# KiCad board trifecta.kicad_pcb (continued)
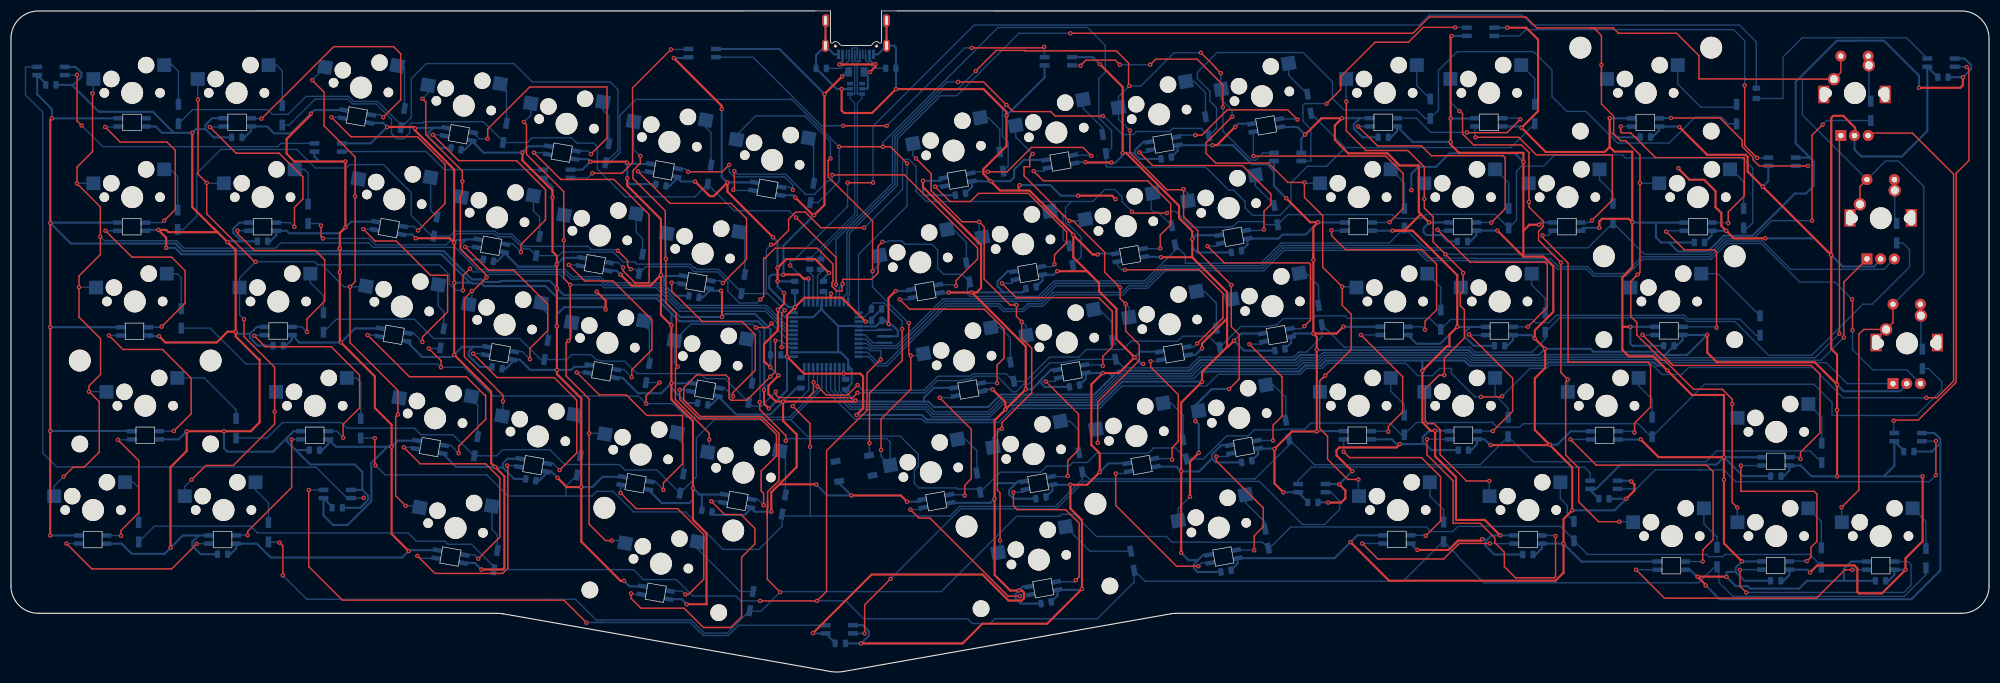
[diagram p0: board, top side]
## Routing (per net, layer and track width the routed paths; a pad name or vN(x,y) marks a point on that pad's centre or on a via; arc(x,y) is an arc through that point) (continued)
row9: length 410
  Top w0.25: v1(158.72,57.09) 156.21,54.58 156.21,47.79 148.84,40.41 148.84,14.73 v1(147.1,12.99) v1(136.72,12.99)
  Bottom w0.25: v1(158.72,57.09) 158.76,57.13 158.76,58.72 156.84,58.72 156.35,59.22 U1.20 ; D_72.1 349.47,17.78 345.52,13.82 314.26,13.82 311.68,16.4 311.68,18.89 D_70.1 310.95,19.22 308.02,16.3 268.8,16.3 263.98,21.12 263.98,21.31 D_68.1 261.32,23.84 254.07,16.59 206.97,16.59 D_66.1 204.98,16.43 198.28,9.73 179.59,9.73 178.71,8.85 175.48,8.85 174.59,9.73 155.62,9.73 152.36,12.99 v1(147.1,12.99) ; D_62.1 26.17,26.64 43.74,26.64 44.97,25.4 72.49,25.4 74,23.9 79.18,23.9 79.74,23.34 84.05,23.34 88.15,19.24 D_64.1 113.65,18.71 115.46,16.9 121.42,16.9 124.42,13.9 132.27,13.9 133.17,12.99 v1(136.72,12.99)
Net-(C1-Pad1): length 2.4
  Bottom w0.25: C1.1 148.79,68.98 148.79,67.32
Net-(D_1-Pad2): length 10.6
  Bottom w0.25: 30.39,103.34 30.43,103.37 ; D_1.2 30.56,109.72 29.41,110.87 K_1.2 29.38,110.87
Net-(D_2-Pad2): length 9.3
  Bottom w0.25: K_2.2 48.46,110.87 49.51,109.83 D_2.2 ; 49.51,103.34 49.51,103.34
Net-(D_3-Pad2): length 8.9
  Bottom w0.25: K_3.2 71.47,110.75 71.82,110.41 D_3.2
Net-(D_4-Pad2): length 7.7
  Bottom w0.25: D_4.2 90.43,106.29 K_4.2
Net-(D_5-Pad2): length 8.1
  Bottom w0.25: D_5.2 109.14,101.54 108.03,102.64 K_5.2
Net-(D_6-Pad2): length 8.6
  Bottom w0.25: K_6.2 126.8,99.5 127.76,98.54 D_6.2
Net-(D_7-Pad2): length 8.6
  Bottom w0.25: D_7.2 146.49,95.86 145.56,96.8 K_7.2
Net-(D_8-Pad2): length 8.6
  Bottom w0.25: K_8.2 178.37,101.27 180.46,99.18 D_8.2
Net-(D_9-Pad2): length 7.8
  Bottom w0.25: K_9.2 195.65,103 199.22,99.43 D_9.2
Net-(D_10-Pad2): length 8.8
  Bottom w0.25: K_10.2 215.94,107.89 217.99,105.84 D_10.2
Net-(D_11-Pad2): length 7.1
  Bottom w0.25: K_11.2 233.17,109 D_11.2
Net-(D_12-Pad2): length 7.2
  Bottom w0.25: D_12.2 256.57,107.12 K_12.2
Net-(D_13-Pad2): length 8.2
  Bottom w0.25: D_13.2 278.08,108.41 K_13.2
Net-(D_15-Pad2): length 16.2
  Bottom w0.25: D_15.2 314.4,103.18 308.42,103.18 304.19,107.41 K_15.2 ; 314.91,103.59 314.92,103.58
Net-(D_17-Pad2): length 9.1
  Bottom w0.25: D_17.2 30.42,90.5 29.09,91.82 K_17.2 ; 30.4,84.29 30.42,84.27
Net-(D_18-Pad2): length 8.4
  Bottom w0.25: D_18.2 54.24,91.17 53.58,91.82 K_18.2
Net-(D_19-Pad2): length 7.7
  Bottom w0.25: D_19.2 76.59,84.32 K_19.2
Net-(D_20-Pad2): length 7.9
  Bottom w0.25: K_20.2 95.35,84.25 96.47,83.12 D_20.2
Net-(D_21-Pad2): length 7.9
  Bottom w0.25: D_21.2 115.26,79.19 114.11,80.34 K_21.2
Net-(D_22-Pad2): length 8.3
  Bottom w0.25: D_22.2 133.92,79.53 133.03,80.41 K_22.2
Net-(D_23-Pad2): length 8.3
  Bottom w0.25: D_23.2 174.36,78.48 171.98,80.86 K_23.2
Net-(D_24-Pad2): length 8.8
  Bottom w0.25: 193.14,77.82 D_24.2 192,78.98 192,83.44 191.27,84.17 K_24.2
Net-(D_25-Pad2): length 8.1
  Bottom w0.25: D_25.2 209.33,84.04 208.56,84.04 208.08,84.52 208.08,87.21 K_25.2
Net-(D_26-Pad2): length 7
  Bottom w0.25: K_26.2 227.1,88.82 230.54,85.38 D_26.2 ; 226.74,91.21 226.74,91.26
Net-(D_27-Pad2): length 8.2
  Bottom w0.25: K_27.2 254.3,89.33 D_27.2
Net-(D_28-Pad2): length 8.2
  Bottom w0.25: D_28.2 273.33,89.35 K_28.2
Net-(D_29-Pad2): length 7.2
  Bottom w0.25: D_29.2 292.36,87.49 289.9,89.94 K_29.2
Net-(D_30-Pad2): length 8.1
  Bottom w0.25: D_30.2 316.21,89.62 314,91.82
Net-(D_33-Pad2): length 9.1
  Bottom w0.25: K_33.2 30.29,72.77 31.07,71.99 D_33.2 30.71,66.01
Net-(D_34-Pad2): length 8.2
  Bottom w0.25: D_34.2 57.03,68.74 54.64,71.13 K_34.2 ; 57.07,65.24 57.09,65.22
Net-(D_35-Pad2): length 8.5
  Bottom w0.25: D_35.2 78.99,65.85 77.97,66.87 K_35.2
Net-(D_36-Pad2): length 7.4
  Bottom w0.25: K_36.2 96.73,66.63 97.98,65.38 D_36.2
Net-(D_37-Pad2): length 8.2
  Bottom w0.25: K_37.2 115.49,63.49 116.52,62.46 D_37.2
Net-(D_38-Pad2): length 8.8
  Bottom w0.25: K_38.2 134.79,60.83 135.25,60.37 D_38.2
Net-(D_39-Pad2): length 8.8
  Bottom w0.25: K_39.2 180.52,62.92 182.39,61.06 D_39.2
Net-(D_40-Pad2): length 7.6
  Bottom w0.25: D_40.2 200.98,63.86 198.62,66.22 K_40.2
Net-(D_41-Pad2): length 9.1
  Bottom w0.25: K_41.2 217.82,69.54 219.99,67.37 D_41.2
Net-(D_42-Pad2): length 8.1
  Bottom w0.25: D_42.2 238.63,70.57 236.35,72.85 K_42.2
Net-(D_43-Pad2): length 7.7
  Bottom w0.25: K_43.2 260.94,70.31 D_43.2 ; 260.93,65.49 260.94,65.49
Net-(D_44-Pad2): length 8.2
  Bottom w0.25: D_44.2 280,68.25 277.52,70.73 K_44.2
Net-(D_45-Pad2): length 13.9
  Bottom w0.25: K_45.2 311.49,72.77 D_45.2
Net-(D_47-Pad2): length 14.7
  Bottom w0.25: K_47.2 35.27,53.72 41.09,47.91 D_47.2
Net-(D_48-Pad2): length 9.5
  Bottom w0.25: 63.8,46.19 63.82,46.17 ; K_48.2 63.06,53.72 63.82,52.96 D_48.2
Net-(D_49-Pad2): length 7.8
  Bottom w0.25: K_49.2 84.04,49.85 85.19,48.71 D_49.2
Net-(D_50-Pad2): length 8
  Bottom w0.25: D_50.2 103.94,45.32 102.8,46.46 K_50.2
Net-(D_51-Pad2): length 8
  Bottom w0.25: K_51.2 121.56,42.74 122.72,41.58 D_51.2
Net-(D_52-Pad2): length 8.6
  Bottom w0.25: K_52.2 140.62,40.41 141.35,39.69 D_52.2
Net-(D_53-Pad2): length 8.5
  Bottom w0.25: K_53.2 174.19,42.51 176.27,40.43 D_53.2
Net-(D_54-Pad2): length 8.2
  Bottom w0.25: D_54.2 194.89,44.18 193.25,45.82 K_54.2
Net-(D_55-Pad2): length 9.1
  Bottom w0.25: K_55.2 211.71,49.13 213.9,46.93 D_55.2
Net-(D_56-Pad2): length 8.7
  Bottom w0.25: K_56.2 230.39,52.43 232.64,50.19 D_56.2
Net-(D_57-Pad2): length 7.8
  Bottom w0.25: D_57.2 254.28,48.84 251.8,51.31 K_57.2 ; 254.3,46.44 254.31,46.44
Net-(D_58-Pad2): length 9.4
  Bottom w0.25: 273.21,46.44 273.23,46.42 ; 273.32,46.63 D_58.2 273.23,48.21 270.85,50.59 K_58.2 270.85,52.68
Net-(D_59-Pad2): length 8.2
  Bottom w0.25: 299.5,46.44 299.51,46.43 ; K_59.2 297.05,52.3 299.51,49.84 D_59.2
Net-(D_60-Pad2): length 8.2
  Bottom w0.25: K_60.2 330.47,46.5 D_60.2
Net-(D_62-Pad2): length 9.3
  Bottom w0.25: K_62.2 22.32,34.67 23.31,33.69 D_62.2
Net-(D_63-Pad2): length 8.4
  Bottom w0.25: 46.98,27.2 46.99,27.18 ; K_63.2 44.64,33.26 46.99,30.9 D_63.2
Net-(D_64-Pad2): length 8.5
  Bottom w0.25: D_64.2 88.77,25.06 87.77,26.06 K_64.2
Net-(D_65-Pad2): length 14.7
  Bottom w0.25: D_65.2 133.06,14.71 125.26,22.52 K_65.2
Net-(D_66-Pad2): length 13.8
  Bottom w0.25: D_66.2 196.93,22.07 K_66.2
Net-(D_67-Pad2): length 7.8
  Bottom w0.25: D_67.2 228.87,27.36 225.3,30.93 K_67.2
Net-(D_68-Pad2): length 8.3
  Bottom w0.25: K_68.2 258.95,32.16 261.45,29.66 D_68.2
Net-(D_69-Pad2): length 8.2
  Bottom w0.25: D_69.2 284.02,28.75 284.02,30.42 282.76,31.68 K_69.2
Net-(D_70-Pad2): length 8.1
  Bottom w0.25: D_70.2 311.35,24.69 308.95,27.08 K_70.2
Net-(D_71-Pad2): length 8.5
  Bottom w0.25: 330.32,22.63 330.38,22.56 ; D_71.2 330.38,27.53 K_71.2 ; 330.32,22.63 330.45,22.76
Net-(D_72-Pad2): length 8.3
  Bottom w0.25: D_72.2 349.47,27.49 K_72.2
Net-(J1-PadA5): length 5.9
  Bottom w0.25: J1.A5 152.97,111.75 151.49,110.27 R2.2
Net-(J1-PadB5): length 5.3
  Bottom w0.25: J1.B5 155.97,111.82 157.52,110.27 R3.2
Net-(LED1-Pad4): length 34.3
  Top w0.25: v1(27.96,82.44) 29.99,84.48 29.99,95.3 28.46,96.82 19.93,96.82 v1(17.19,99.56)
  Bottom w0.25: v1(27.96,82.44) 27.61,82.1 LED17.2 ; v1(17.19,99.56) 19.51,99.56 LED1.4
Net-(LED2-Pad4): length 48.7
  Top w0.25: v1(45.69,101.09) 45.74,101.09 58.89,114.24 69.82,114.24 71.14,112.92 71.14,104.54 v1(67.94,101.34)
  Bottom w0.25: v1(45.69,101.09) 43.86,101.09 LED2.4 ; LED3.2 67.49,101.79 v1(67.94,101.34)
Net-(LED4-Pad4): length 46.3
  Top w0.25: v1(105.86,94.62) 108.78,97.54 108.78,106.88 94.68,106.88 87,99.19 v1(87,97.42)
  Bottom w0.25: LED4.4 85.45,97.42 v1(87,97.42) ; LED5.2 105.3,95.18 v1(105.86,94.62)
Net-(LED6-Pad4): length 27.1
  Top w0.25: v1(131.07,92.65) 129.8,91.38 v1(123.57,91.38)
  Bottom w0.25: v1(123.57,91.38) 123.02,91.94 LED6.4 ; LED7.2 142.19,88.58 v1(142.69,88.08) 142.69,88.97 141.21,90.45 132.01,90.45 131.07,91.39 v1(131.07,92.65)
Net-(LED8-Pad4): length 28
  Top w0.25: v1(178.25,91.38) 181.8,91.38 186.25,95.83 195.65,95.83 v1(197.17,94.31)
  Bottom w0.25: v1(178.25,91.38) 175.38,91.38 LED8.4 ; LED9.2 197.05,94.43 v1(197.17,94.31)
Net-(LED10-Pad2): length 39.7
  Top w0.25: v1(228.67,80.84) 228.67,84.15 229.94,85.42 229.94,87.32 224.73,92.53 208.35,92.53 v1(205.93,94.94)
  Bottom w0.25: v1(205.93,94.94) 207.56,94.94 LED10.2 ; v1(228.67,80.84) 228.49,80.67 LED26.4
Net-(LED10-Pad4): length 28.4
  Top w0.25: v1(216.14,98.08) 217.36,98.08 221.97,102.7 233.01,102.7 v1(234.79,100.92)
  Bottom w0.25: LED10.4 213.02,98.08 v1(216.14,98.08) ; v1(234.79,100.92) 234.69,101.03 LED11.2
Net-(LED11-Pad4): length 46.5
  Top w0.25: 226.47,94.24 v1(226.79,94.24) 250.91,94.24 254.06,91.08 254.06,84.66 v1(251.59,82.18)
  Bottom w0.25: LED11.4 226.74,94.29 v1(226.79,94.24) ; LED27.2 251.53,82.12 v1(251.59,82.18)
Net-(LED12-Pad2): length 47
  Top w0.25: v1(245.86,99.67) 249.41,96.12 257.42,96.12 259.22,94.32 272.32,94.32 272.69,93.95 272.69,84.62 v1(270.13,82.07)
  Bottom w0.25: LED28.4 270.07,82.12 v1(270.13,82.07) ; v1(245.86,99.67) 245.86,99.67 LED12.2
Net-(LED12-Pad4): length 27.9
  Top w0.25: v1(265.71,98.59) 265.75,98.54 273.03,98.54 v1(275.43,100.94)
  Bottom w0.25: v1(275.43,100.94) 275.2,101.17 LED13.2 ; v1(265.71,98.59) 259.1,98.59 256.51,101.17 LED12.4
Net-(LED13-Pad4): length 44
  Top w0.25: v1(288.53,82.51) 292.24,86.22 292.24,94.49 278.38,94.49 275.17,97.69 v1(267.29,97.69)
  Bottom w0.25: LED29.2 288.13,82.11 v1(288.53,82.51) ; LED13.4 267.21,97.76 v1(267.29,97.69)
Net-(LED15-Pad2): length 43.8
  Top w0.25: v1(293.77,99.65) 293.77,98.69 293.97,98.48 295.61,98.48 297.88,96.21 ; 297.94,96.15 297.88,96.21 ; 297.88,96.21 300.12,93.98 316.34,93.98 316.34,86.99 313.41,84.05 v1(313.41,81.99)
  Bottom w0.25: LED30.4 313.3,82.1 v1(313.41,81.99) ; LED15.2 295.77,99.65 v1(293.77,99.65)
Net-(LED15-Pad4): length 36.5
  Top w0.25: v1(302.96,101.22) 311.88,101.22 315.95,97.15 315.95,96 317.93,94.01 317.93,93.58 319.05,92.45 v1(327.95,92.45)
  Bottom w0.25: v1(327.95,92.45) 325.74,92.45 ULED14.2 ; 300.45,101.22 v1(302.96,101.22) 302.89,101.15 LED15.4
Net-(LED17-Pad4): length 34.4
  Top w0.25: v1(27.5,63.1) 31.79,67.39 31.79,73.31 29.31,75.79 22.08,75.79 v1(17.24,80.62)
  Bottom w0.25: LED33.2 27.39,62.99 v1(27.5,63.1) ; LED17.4 19.52,80.62 v1(17.24,80.62)
Net-(LED18-Pad2): length 38.1
  Top w0.25: v1(41.37,80.61) 41.37,80.06 44.42,77.01 55.54,77.01 57.27,75.28 57.27,67.76 54.02,64.51 v1(54.02,62.12)
  Bottom w0.25: LED34.4 53.09,63.05 v1(54.02,62.12) ; LED18.2 43.4,80.61 v1(41.37,80.61)
Net-(LED18-Pad4): length 36.7
  Top w0.25: v1(51.73,81.33) 51.73,84.86 53.27,86.4 53.27,90.45 48.95,94.77 41.08,94.77 v1(36.29,99.56)
  Bottom w0.25: LED2.2 38.68,99.56 v1(36.29,99.56) ; LED18.4 50.96,82.1 v1(51.73,81.33)
Net-(LED19-Pad2): length 43.5
  Top w0.25: v1(58.49,101.34) 62.04,97.79 74.17,97.79 79.21,92.74 79.21,85.59 v1(74.29,80.67)
  Bottom w0.25: LED3.4 60.37,101.34 v1(58.49,101.34) ; v1(74.29,80.67) 73.55,81.4 LED19.2
Net-(LED19-Pad4): length 38.4
  Top w0.25: v1(64.28,80.92) 66.46,78.74 70.32,78.74 76.57,72.49 79.67,72.49 79.67,65.78 75.1,61.21 v1(75.1,60.29)
  Bottom w0.25: LED19.4 66.25,80.92 v1(64.28,80.92) ; LED35.2 73.49,61.91 v1(75.1,60.29)
Net-(LED20-Pad2): length 36.5
  Top w0.25: v1(82.87,77.67) 87.14,73.4 91.76,73.4 97.96,67.2 97.96,62.38 94.71,59.13 v1(94.71,57.15)
  Bottom w0.25: v1(82.87,77.67) 84.93,77.67 LED20.2 ; LED36.4 93.31,58.54 v1(94.71,57.15)
Net-(LED20-Pad4): length 43.7
  Top w0.25: v1(76.98,98.14) 81.7,93.42 92.27,93.42 97.55,88.13 97.55,82.6 93.08,78.13 v1(93.08,76.7)
  Bottom w0.25: v1(76.98,98.14) 78.93,98.14 LED4.2 ; v1(93.08,76.7) 91.62,78.16 LED20.4
Net-(LED21-Pad2): length 50
  Top w0.25: v1(111.7,73.92) 111.7,73.3 113.91,71.09 116.36,71.09 116.46,71.19 116.46,83.57 110.05,89.99 100.33,89.99 v1(95.44,94.88)
  Bottom w0.25: v1(111.7,73.92) 110.82,74.8 LED21.2 ; LED5.4 97.63,94.88 v1(95.44,94.88)
Net-(LED21-Pad4): length 37
  Top w0.25: v1(113.29,53.86) 113.29,55.19 116.97,58.87 116.97,64.33 109.86,71.45 104.72,71.45 v1(101.79,74.37)
  Bottom w0.25: v1(113.29,53.86) 111.9,55.24 LED37.2 ; LED21.4 103.79,74.37 v1(101.79,74.37)
Net-(LED22-Pad2): length 38.1
  Top w0.25: v1(131.77,50.36) 131.77,51.06 135.83,55.13 135.83,61.6 133.42,64.02 126.18,64.02 120.59,69.6 v1(120.59,71.13)
  Bottom w0.25: v1(131.77,50.36) 130.26,51.87 LED38.4 ; LED22.2 122.27,71.13 v1(120.59,71.13)
Net-(LED22-Pad4): length 41.5
  Top w0.25: v1(114.43,91.45) 120.27,85.61 131.45,85.61 134.24,82.81 134.24,75.38 v1(129.92,71.06)
  Bottom w0.25: LED22.4 129.49,71.5 v1(129.92,71.06) ; LED6.2 114.54,91.33 v1(114.43,91.45)
Net-(LED23-Pad2): length 73
  Top w0.25: v1(131.83,88.08) 132.02,88.27 v1(132.02,91.51) ; v1(172.47,70.56) 172.47,71.51 176.41,75.45 176.41,77.48 163.07,90.81 v1(149.86,90.81)
  Bottom w0.25: LED7.4 131.94,87.97 v1(131.83,88.08) ; v1(132.02,91.51) 132.59,90.94 141.36,90.94 144.85,87.45 144.85,87.26 146.63,87.26 149.1,89.73 149.86,89.73 v1(149.86,90.81) ; LED23.2 172.28,70.75 v1(172.47,70.56)
Net-(LED23-Pad4): length 37.1
  Top w0.25: v1(162.18,68.08) 163.96,66.3 177.61,66.3 181.23,62.68 181.23,57.35 179.96,56.08 v1(179.96,52.78)
  Bottom w0.25: LED23.4 164.23,68.08 v1(162.18,68.08) ; v1(179.96,52.78) 179.95,52.79 LED39.2
Net-(LED24-Pad2): length 39.1
  Top w0.25: v1(199.27,55.95) 199.27,57.67 200.98,59.38 200.98,65.92 198.5,68.4 183.46,68.4 v1(180.85,71)
  Bottom w0.25: LED40.4 199.12,56.1 v1(199.27,55.95) ; v1(180.85,71) 182.62,71 LED24.2
Net-(LED24-Pad4): length 40.6
  Top w0.25: v1(168.66,88.65) 171.36,85.96 175.1,85.96 176.59,87.44 185.65,87.44 192.66,80.43 192.66,78.43 190.44,76.21 v1(190.44,74.49)
  Bottom w0.25: LED24.4 190,74.05 v1(190.44,74.49) ; 170.01,88.34 LED8.2 168.78,88.78 v1(168.66,88.65)
Net-(LED25-Pad2): length 42.4
  Top w0.25: v1(186.63,91.51) 188.41,89.73 207.46,89.73 211.65,85.54 211.65,81.73 209.74,79.83 v1(209.74,77.41)
  Bottom w0.25: LED25.2 209.65,77.32 v1(209.74,77.41) ; LED9.4 188.62,91.51 v1(186.63,91.51)
Net-(LED25-Pad4): length 35.3
  Top w0.25: v1(203.27,73.48) 216.86,73.48 221.17,69.16 221.17,64.71 v1(216.48,60.02)
  Bottom w0.25: v1(216.48,60.02) 215.84,59.38 LED41.2 ; v1(203.27,73.48) 202.7,73.48 201.91,74.27 LED25.4
Net-(LED26-Pad2): length 37.4
  Top w0.25: v1(218.38,77.8) 221.43,74.75 236.92,74.75 237.16,74.51 237.16,64.32 v1(236.03,63.19)
  Bottom w0.25: v1(236.03,63.19) 235.56,62.71 LED42.4 ; LED26.2 220.23,77.8 v1(218.38,77.8)
Net-(LED27-Pad4): length 41.2
  Top w0.25: 245.82,77.16 257.5,77.16 260.17,74.49 260.17,66.16 258.06,64.05 v1(258.06,62.52) ; 245.82,77.16 243.56,77.16 241,79.72 v1(241,80.69) ; 245.82,77.16 245.51,77.16
  Bottom w0.25: v1(258.06,62.52) 257.5,63.08 LED43.2 ; v1(241,80.69) 241.07,80.62 LED27.4
Net-(LED28-Pad2): length 40.4
  Top w0.25: v1(276.84,63.09) 280.38,66.62 280.38,74.48 280,74.86 266.27,74.86 v1(260.34,80.8)
  Bottom w0.25: v1(260.34,80.8) 260.51,80.62 LED28.2 ; LED44.4 276.81,63.05 v1(276.84,63.09)
Net-(LED29-Pad4): length 59.3
  Top w0.25: v1(296.29,43.76) 296.29,45.47 299.22,48.39 299.22,56.14 298.77,56.59 284.17,56.59 284.17,74.72 281.16,77.72 281.16,77.76 279.51,79.41 v1(279.51,79.76)
  Bottom w0.25: LED59.2 296.07,43.98 v1(296.29,43.76) ; 281.45,80.62 LED29.4 280.61,79.76 v1(279.51,79.76)
Net-(LED30-Pad2): length 34.2
  Top w0.25: v1(302.07,80.44) 305.39,77.12 310.89,77.12 311.26,76.75 v1(311.26,62.9)
  Bottom w0.25: LED30.2 302.22,80.6 v1(302.07,80.44) ; v1(311.26,62.9) 311.08,63.07 LED45.4
Net-(LED33-Pad4): length 34.1
  Top w0.25: v1(17.9,61.46) 20.44,58.92 27.65,58.92 32.88,53.69 32.88,47.19 v1(29.73,44.04)
  Bottom w0.25: LED33.4 20.02,61.46 v1(17.9,61.46) ; v1(29.73,44.04) 29.7,44 LED47.2
Net-(LED34-Pad2): length 39.9
  Top w0.25: v1(44.42,61.41) 46.4,59.43 58.44,59.43 63.62,54.25 63.62,48.26 60.62,45.26 v1(60.62,42.82)
  Bottom w0.25: v1(60.62,42.82) 59.44,44 LED48.4 ; v1(44.42,61.41) 44.55,61.55 LED34.2
Net-(LED35-Pad4): length 44.3
  Top w0.25: 67.92,58.73 v1(65.09,61.56) ; 67.92,58.73 72.71,53.94 83.08,53.94 86.48,50.54 86.63,50.54 86.63,46.17 81.7,41.24 v1(81.7,39.97) ; 67.92,58.73 67.99,58.67
  Bottom w0.25: LED35.4 67,61.56 v1(65.09,61.56) ; LED49.2 80.28,41.4 v1(81.7,39.97)
Net-(LED36-Pad2): length 41.6
  Top w0.25: v1(84.33,58.17) 88.71,53.79 99.13,53.79 103.25,49.66 103.25,40.01 v1(100.14,36.9)
  Bottom w0.25: LED50.4 98.95,38.09 v1(100.14,36.9) ; v1(84.33,58.17) 86.39,58.17 LED36.2
Net-(LED37-Pad4): length 42.8
  Top w0.25: v1(103.25,54.74) 107.38,50.62 112.3,50.62 116.05,46.87 122.56,46.87 122.56,38.04 119.07,34.55 v1(119.07,33.28)
  Bottom w0.25: v1(119.07,33.28) 117.56,34.79 LED51.2 ; LED37.4 105.18,54.74 v1(103.25,54.74)
Net-(LED38-Pad2): length 41.1
  Top w0.25: v1(137.35,30.49) 137.35,32.65 136.91,33.09 136.91,36.71 139.7,39.5 139.7,43.38 136.85,46.24 125.61,46.24 122.05,49.79 v1(122.05,51.57)
  Bottom w0.25: LED38.2 123.79,51.57 v1(122.05,51.57) ; LED52.4 136.29,31.55 v1(137.35,30.49)
Net-(LED39-Pad4): length 26.7
  Top w0.25: v1(169.49,50.11) 175.26,44.33 175.26,35.31 174.06,34.11 v1(174.06,32.27)
  Bottom w0.25: v1(174.06,32.27) 173.93,32.39 LED53.2 ; v1(169.49,50.11) 172.07,50.11 LED39.4
Net-(LED40-Pad2): length 26.3
  Top w0.25: v1(188.85,53.09) 194.82,47.12 194.82,40.58 192.85,38.62 v1(192.85,35.82)
  Bottom w0.25: v1(192.85,35.82) 192.72,35.69 LED54.4 ; LED40.2 190.57,53.09 v1(188.85,53.09)
Net-(LED41-Pad4): length 25.9
  Top w0.25: v1(211.9,38.81) 211.9,40.97 213.04,42.11 213.04,50.66 207.98,55.72 v1(207.98,56.77)
  Bottom w0.25: v1(207.98,56.77) 209.65,56.77 LED41.4 ; v1(211.9,38.81) 211.71,39 LED55.2
Net-(LED42-Pad2): length 26.6
  Top w0.25: v1(230.32,42.3) 230.32,45.09 231.97,46.74 231.97,53.92 v1(226,59.89)
  Bottom w0.25: LED42.2 228.21,59.89 v1(226,59.89) ; LED56.4 230.31,42.3 v1(230.32,42.3)
Net-(LED43-Pad4): length 28.6
  Top w0.25: v1(251.36,43.91) 251.36,44.91 253.97,47.51 253.97,53.97 v1(246.36,61.58)
  Bottom w0.25: v1(246.36,61.58) LED43.4 ; v1(251.36,43.91) 251.27,44.01 LED57.2
Net-(LED44-Pad2): length 28.4
  Top w0.25: v1(270.43,44.01) 274.04,47.63 274.04,53.7 v1(266.09,61.66)
  Bottom w0.25: LED58.4 270.42,44.02 v1(270.43,44.01) ; v1(266.09,61.66) 266.2,61.55 LED44.2
Net-(LED45-Pad2): length 56.8
  Top w0.25: v1(326.58,38.93) 326.58,40.14 330.14,43.7 330.14,54.43 328.55,56.01 303.34,56.01 v1(297.76,61.6)
  Bottom w0.25: v1(326.58,38.93) 326.28,39.23 LED60.4 ; v1(297.76,61.6) 297.79,61.57 LED45.2
Net-(LED47-Pad4): length 25.7
  Top w0.25: v1(19.52,42.41) 23.33,38.6 23.33,29.1 20.08,25.85 v1(20.08,24.89)
  Bottom w0.25: v1(20.08,24.89) 20.02,24.95 LED62.2 ; LED47.4 21.93,42.41 v1(19.52,42.41)
Net-(LED48-Pad2): length 24.6
  Top w0.25: v1(51.22,42.46) 51.22,33.73 43.2,25.7 v1(43.2,24.99)
  Bottom w0.25: LED63.4 41.15,24.99 v1(43.2,24.99) ; LED48.2 51.26,42.5 v1(51.22,42.46)
Net-(LED49-Pad4): length 41.2
  Top w0.25: v1(85.28,20.71) 89.22,24.65 89.22,35.44 86.62,38.04 74.68,38.04 v1(71.7,41.03)
  Bottom w0.25: v1(71.7,41.03) 73.62,41.03 LED49.4 ; LED64.2 84.6,21.39 v1(85.28,20.71)
Net-(LED50-Pad2): length 42.9
  Top w0.25: v1(90.55,37.73) 90.68,37.6 90.68,18.96 89.73,18.02 77.37,18.02 v1(74.17,21.22)
  Bottom w0.25: v1(90.55,37.73) 92.48,37.73 LED50.2 ; v1(74.17,21.22) 74.6,20.79 LED64.4
Net-(LED51-Pad4): length 35.6
  Top w0.25: v1(123.07,14.17) 123.64,14.17 126.42,16.95 126.42,25.1 121.67,29.85 114.11,29.85 v1(111.26,32.71)
  Bottom w0.25: LED65.2 122.44,14.79 v1(123.07,14.17) ; v1(111.26,32.71) 111.26,34.05 LED51.4
Net-(LED52-Pad2): length 55.5
  Top w0.25: v1(127.83,31.19) 130.24,28.77 133.23,28.77 135.77,26.23 135.77,23.4 133.33,20.97 133.33,10.11 131.36,8.14 126.37,8.14 122.84,11.67 114.97,11.67 113.16,13.47 v1(113.16,14.36)
  Bottom w0.25: LED65.4 113.34,14.18 v1(113.16,14.36) ; LED52.2 129.76,31.19 v1(127.83,31.19)
Net-(LED53-Pad4): length 31.1
  Top w0.25: v1(184.09,13.85) 181.99,13.85 167.71,28.14 165.68,28.14 v1(164.15,29.66)
  Bottom w0.25: v1(184.09,13.85) 184.39,14.15 LED66.2 ; LED53.4 166.16,29.66 v1(164.15,29.66)
Net-(LED54-Pad2): length 32.6
  Top w0.25: v1(182.95,32.84) 182.95,30.36 183.65,29.66 192.47,29.66 194.94,27.19 194.94,17.4 v1(194.31,16.77)
  Bottom w0.25: LED54.2 184.63,32.84 v1(182.95,32.84) ; v1(194.31,16.77) 194.04,16.49 LED66.4
Net-(LED55-Pad4): length 30.5
  Top w0.25: v1(216.7,19.33) 212.71,19.33 201.62,30.42 v1(201.62,36.27)
  Bottom w0.25: LED55.4 203.61,36.27 v1(201.62,36.27) ; v1(216.7,19.33) 217.3,19.94 LED67.2
Net-(LED56-Pad2): length 27.7
  Top w0.25: v1(219.97,39.38) 219.97,38.55 228.54,29.98 228.54,26.55 226.89,24.9 v1(226.89,22.23)
  Bottom w0.25: v1(226.89,22.23) 226.84,22.28 LED67.4 ; v1(219.97,39.38) 222.09,39.38 LED56.2
Net-(LED57-Pad4): length 36.6
  Top w0.25: v1(243.21,40.25) 244.28,39.18 257.4,39.18 260.89,35.68 260.89,27.6 v1(258.18,24.89)
  Bottom w0.25: LED68.2 258.1,24.98 v1(258.18,24.89) ; LED57.4 243.21,42.5 v1(243.21,40.25)
Net-(LED58-Pad2): length 56.4
  Top w0.25: v1(258.43,42.51) 258.43,39.69 263.19,34.92 263.19,27.18 268.12,27.18 270.8,24.5 270.8,23.65 272.54,21.9 272.54,19.26 274.6,17.2 281.66,17.2 281.89,17.43 v1(281.89,24.84)
  Bottom w0.25: LED58.2 262.55,42.51 v1(258.43,42.51) ; LED69.4 281.77,24.96 v1(281.89,24.84)
Net-(LED59-Pad4): length 52.6
  Top w0.25: v1(308.74,20.2) 308.74,22.3 310.65,24.2 310.65,36.58 309.44,37.79 289.31,37.79 v1(284.61,42.49)
  Bottom w0.25: LED59.4 288.32,42.49 v1(284.61,42.49) ; v1(308.74,20.2) 308.72,20.18 LED70.2
Net-(LED60-Pad2): length 38.9
  Top w0.25: v1(327.73,20.26) 328.5,21.04 328.5,22.8 329.58,23.88 329.58,32.51 329.07,33.02 315.73,33.02 315.7,33.05 v1(315.7,37.71)
  Bottom w0.25: LED71.4 324.6,20.26 v1(327.73,20.26) ; LED60.2 319.54,37.71 v1(315.7,37.71)
Net-(LED62-Pad4): length 32.1
  Top w0.25: v1(33.9,23.41) 29.33,18.84 14.75,18.84 v1(10.13,23.46)
  Bottom w0.25: LED62.4 12.41,23.46 v1(10.13,23.46) ; LED63.2 33.94,23.45 v1(33.9,23.41)
Net-(LED68-Pad4): length 34.2
  Top w0.25: 264.11,23.3 261.46,20.66 249.44,20.66 v1(246.61,23.49) ; 264.11,23.3 264.24,23.43 ; 264.11,23.3 264.29,23.49 v1(269.88,23.49)
  Bottom w0.25: 271.14,23.46 271.11,23.43 ; 271.14,23.46 LED69.2 ; 271.14,23.46 269.91,23.46 v1(269.88,23.49) ; v1(246.61,23.49) 250.41,23.49 LED68.4
Net-(LED70-Pad4): length 50.7
  Top w0.25: v1(336.04,18.69) 334.69,18.69 329.5,13.5 301.75,13.5 v1(296.56,18.68)
  Bottom w0.25: v1(336.04,18.69) 336.05,18.69 LED72.2 ; v1(296.56,18.68) LED70.4 300.29,18.47
Net-(LED71-Pad2): length 46.3
  Top w0.25: v1(315.55,18.67) 315.55,15.68 v1(316.69,14.54)
  Bottom w0.25: v1(315.55,18.67) 315.58,18.71 LED71.2 ; v1(316.69,14.54) 345.46,14.54 346.76,15.85 346.76,19.63 346.2,20.19 LED72.4
Net-(R1-Pad2): length 39
  Top w0.25: v1(156.66,41.82) 156.66,50.93 162.64,56.9 v1(162.64,62.66)
  Bottom w0.25: 154.49,64.82 155.49,64.82 ; U1.13 155.69,64.82 157.03,66.16 R1.2 157.03,67.13 157.33,67.43 159.31,67.43 162.64,64.1 v1(162.64,62.66) ; v1(156.66,41.82) 156.66,39.64 SW1.2
Net-(R4-Pad1): length 6.5
  Bottom w0.25: 147.19,67.32 147.19,72.41 147.76,72.98 R4.1 147.74,73.54
Net-(R5-Pad1): length 6.5
  Bottom w0.25: R5.1 145.78,72.98 146.39,72.38 146.39,67.32
Net-(R6-Pad2): length 2.4
  Bottom w0.25: 144.79,55.92 144.79,54.36 R6.2
Net-(R7-Pad1): length 41.8
  Bottom w0.25: R7.1 323.4,104.77 323.4,112.37 326.89,115.86 345.93,115.86 ULED1.4
Net-(U1-Pad16): length 6.7
  Bottom w0.25: Y1.3 159.35,62.42 156.58,62.42 ; 154.49,62.42 156.58,62.42 ; 156.58,62.42 158.01,62.42 158.13,62.54
Net-(U1-Pad17): length 4.3
  Bottom w0.25: 158.13,60.14 157.33,60.14 155.85,61.62 154.49,61.62
Net-(ULED1-Pad2): length 77.5
  Top w0.25: v1(343.6,45.92) 343.71,46.02 348.05,46.02 354.97,52.94 354.97,91.07 357.32,93.42 357.32,110.11 v1(356.92,110.51)
  Bottom w0.25: v1(356.92,110.51) 356.86,110.57 ULED1.2 ; ULED2.4 343.6,43.78 v1(343.6,45.92)
Net-(ULED2-Pad2): length 70
  Top w0.25: v1(351.29,35.96) 351.29,42.17 v1(351.31,42.19)
  Bottom w0.25: ULED3.4 295.41,33.45 ; 295.41,33.45 295.43,33.47 ; 295.41,33.45 296.59,33.45 300.07,36.93 308.42,36.93 ; 308.19,36.93 308.42,36.93 ; 308.42,36.93 312.59,36.93 314.76,34.76 350.1,34.76 v1(351.29,35.96) ; ULED2.2 351.28,42.17 v1(351.31,42.19)
Net-(ULED3-Pad2): length 56.8
  Bottom w0.25: ULED4.4 234.91,35 237.35,37.43 287.16,37.43 288.21,36.38 ULED3.2
Net-(ULED4-Pad2): length 112.8
  Top w0.25: v1(160.53,17.02) 155.79,12.28 v1(155.79,7.07)
  Bottom w0.25: ULED4.2 240.89,32.84 242.49,31.24 242.49,29.72 239.71,26.94 235.71,26.94 227.82,34.83 195.79,34.83 190.77,29.82 173.33,29.82 v1(160.53,17.02) 160.38,16.86 ; v1(155.79,7.07) 155.79,7.06 ULED5.4
Net-(ULED5-Pad2): length 118.6
  Top w0.25: v1(54.35,33.26) 54.35,19.25 60.47,13.13 100.92,13.13 v1(105.03,9.02)
  Bottom w0.25: v1(54.35,33.26) 54.36,33.28 ULED6.4 ; 108.1,9.06 106.78,9.06 ; 108.1,9.06 123.94,9.06 126.33,6.67 130.92,6.67 132.8,8.56 ULED5.2 ; 108.1,9.06 105.08,9.06 v1(105.03,9.02) ; 106.78,9.06 106.62,9.06 ; 106.78,9.06 106.74,9.02
Net-(ULED6-Pad2): length 135.9
  Bottom w0.25: ULED7.4 2.79,110.54 2.65,110.4 2.65,105.43 5.79,102.29 5.79,81.74 5.8,81.73 5.8,40.03 8.36,37.46 49.31,37.46 49.35,37.41 55.7,37.41 61.33,31.78 ULED6.2 64.34,31.78 v1(64.39,31.83)
